# Altium PCB PCB_3U_DAC.PCBDOC (part 2 of 9) (continued)
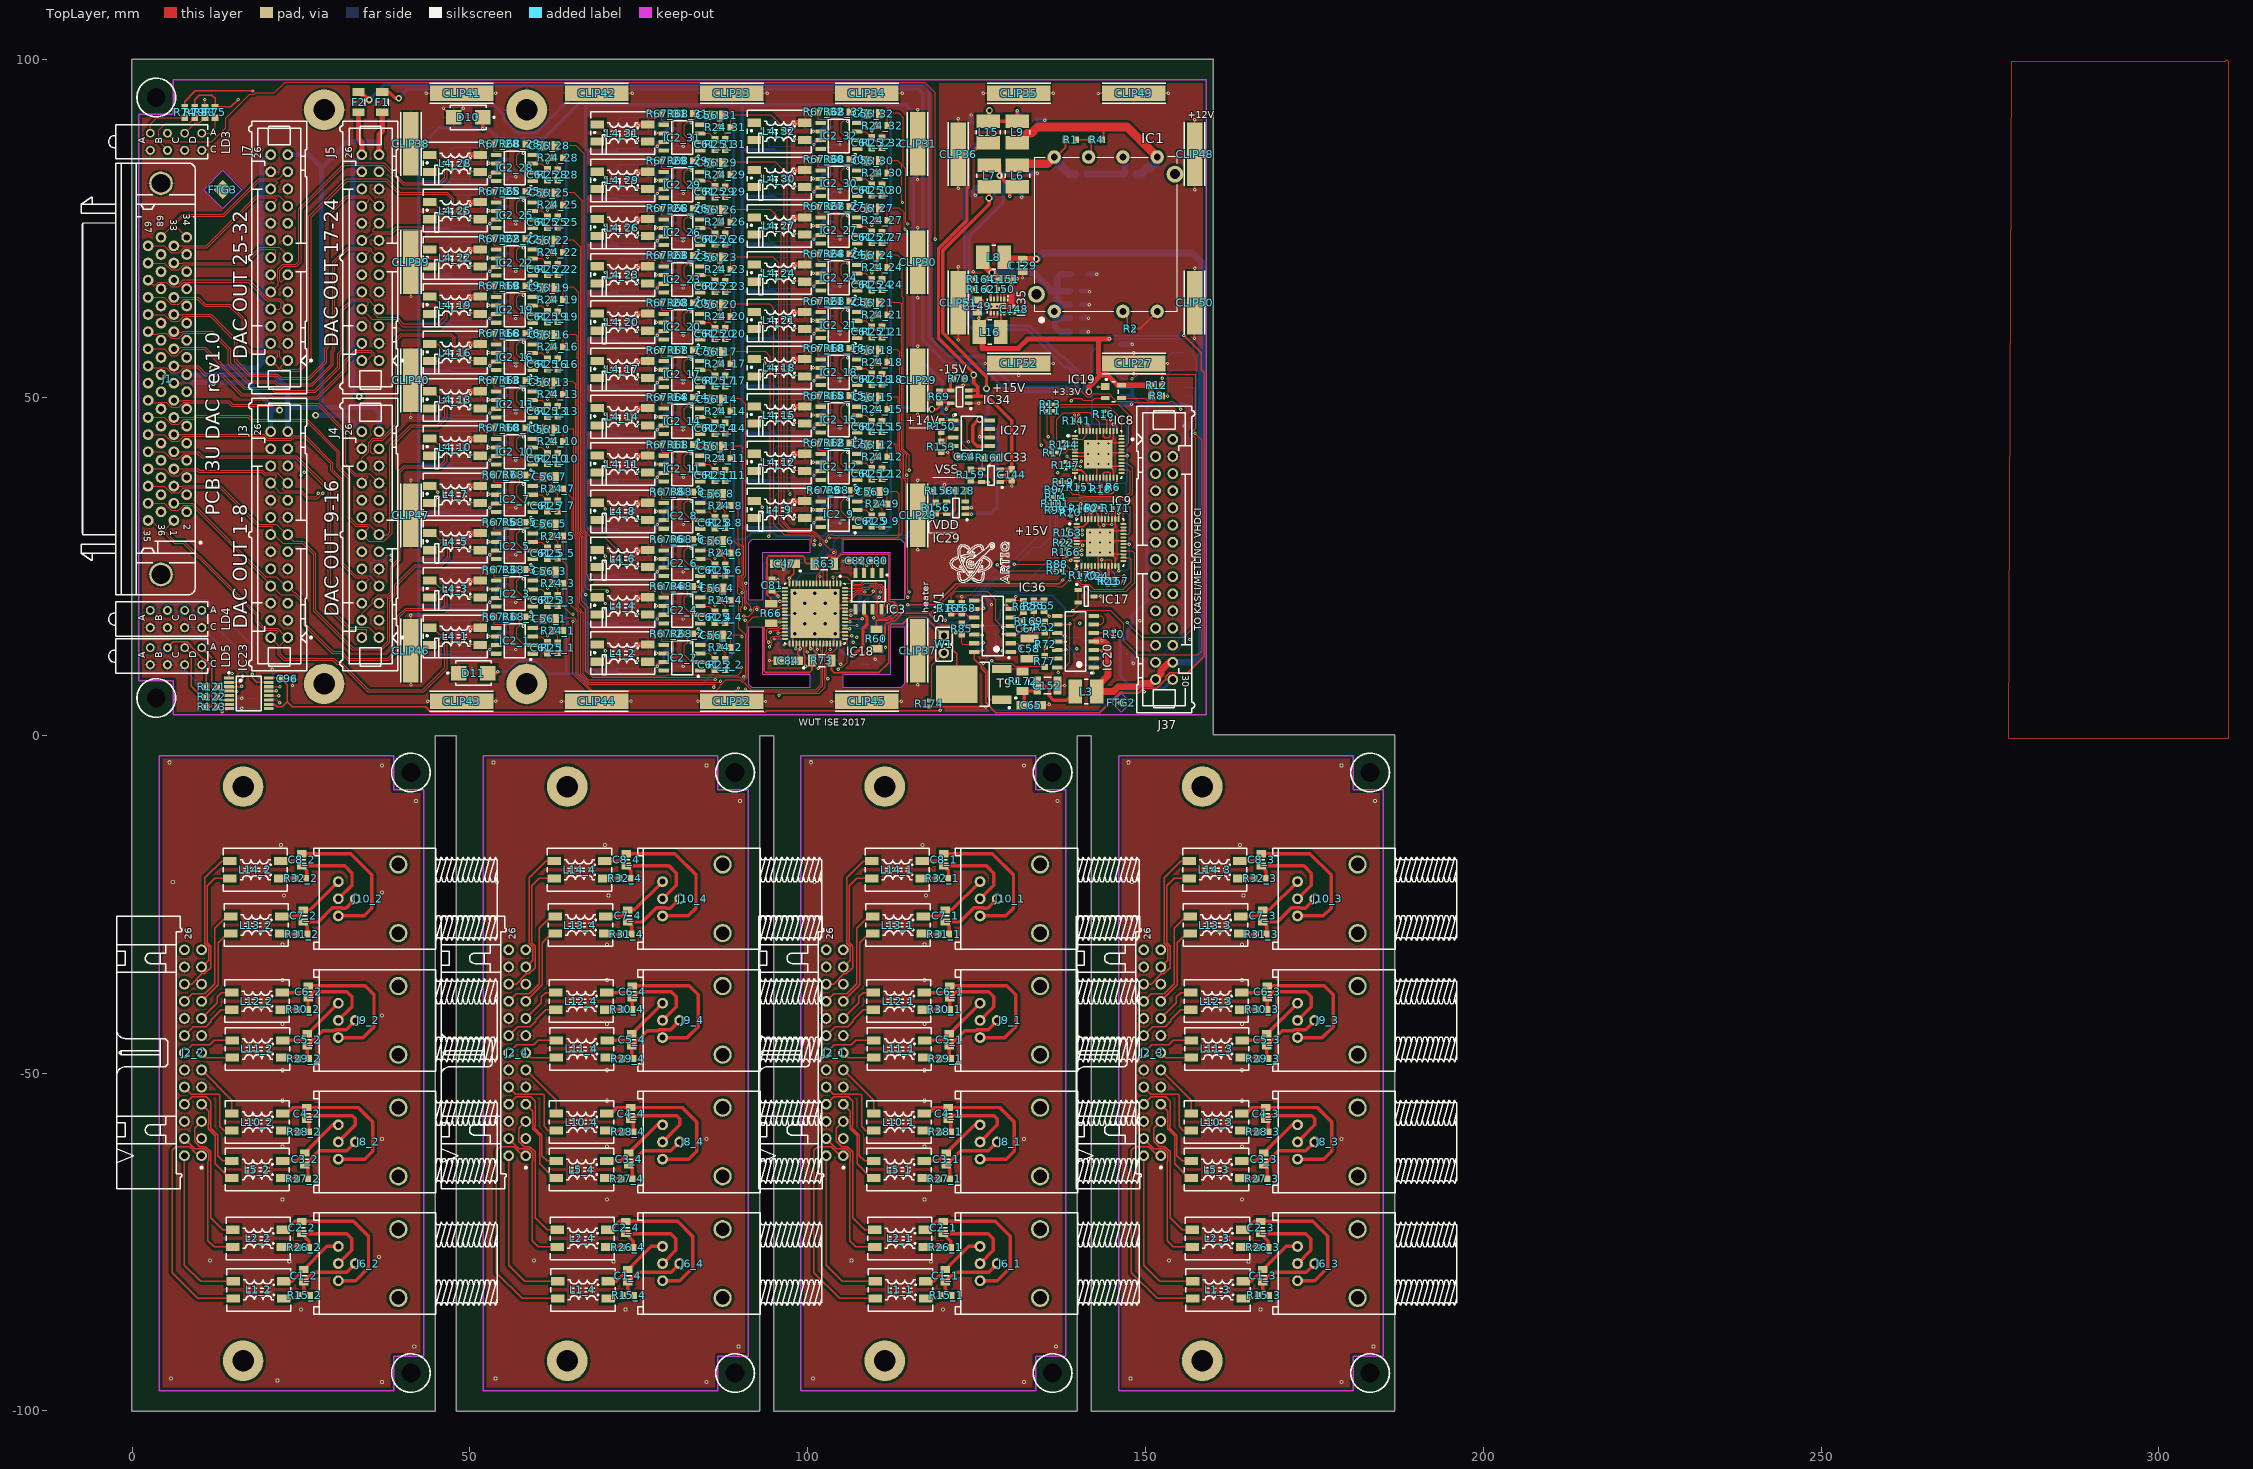
[diagram p0: TopLayer view]
## Components (designator, comment, footprint, x,y, rotation, side; value= is the part's Value field where it differs from the comment) (continued)
R25_12 "9k09" RESC1608X55N 110.992,38.704 r270 top (schematic designator R25)
R25_13 "9k09" RESC1608X55N 62.992,47.954 r270 top (schematic designator R25)
R25_14 "9k09" RESC1608X55N 87.792,45.454 r270 top (schematic designator R25)
R25_15 "9k09" RESC1608X55N 110.992,45.704 r270 top (schematic designator R25)
R25_16 "9k09" RESC1608X55N 62.992,54.954 r270 top (schematic designator R25)
R25_17 "9k09" RESC1608X55N 87.792,52.454 r270 top (schematic designator R25)
R25_18 "9k09" RESC1608X55N 110.992,52.704 r270 top (schematic designator R25)
R25_19 "9k09" RESC1608X55N 62.992,61.954 r270 top (schematic designator R25)
R25_20 "9k09" RESC1608X55N 87.792,59.454 r270 top (schematic designator R25)
R25_21 "9k09" RESC1608X55N 110.992,59.704 r270 top (schematic designator R25)
R25_22 "9k09" RESC1608X55N 62.992,68.954 r270 top (schematic designator R25)
R25_23 "9k09" RESC1608X55N 87.792,66.454 r270 top (schematic designator R25)
R25_24 "9k09" RESC1608X55N 110.992,66.704 r270 top (schematic designator R25)
R25_25 "9k09" RESC1608X55N 62.992,75.954 r270 top (schematic designator R25)
R25_26 "9k09" RESC1608X55N 87.792,73.454 r270 top (schematic designator R25)
R25_27 "9k09" RESC1608X55N 110.992,73.704 r270 top (schematic designator R25)
R25_28 "9k09" RESC1608X55N 62.992,82.954 r270 top (schematic designator R25)
R25_29 "9k09" RESC1608X55N 87.792,80.454 r270 top (schematic designator R25)
R25_30 "9k09" RESC1608X55N 110.992,80.704 r270 top (schematic designator R25)
R25_31 "9k09" RESC1608X55N 87.792,87.454 r270 top (schematic designator R25)
R25_32 "9k09" RESC1608X55N 110.992,87.704 r270 top (schematic designator R25)
R26_1 "0" RESC1608X55N 120.373,-75.819 r180 top (schematic designator R26)
R26_2 "0" RESC1608X55N 25.373,-75.819 r180 top (schematic designator R26)
R26_3 "0" RESC1608X55N 167.373,-75.819 r180 top (schematic designator R26)
R26_4 "0" RESC1608X55N 73.373,-75.819 r180 top (schematic designator R26)
R27_1 "0" RESC1608X55N 120.22,-65.634 r180 top (schematic designator R27)
R27_2 "0" RESC1608X55N 25.22,-65.634 r180 top (schematic designator R27)
R27_3 "0" RESC1608X55N 167.22,-65.634 r180 top (schematic designator R27)
R27_4 "0" RESC1608X55N 73.22,-65.634 r180 top (schematic designator R27)
R28_1 "0" RESC1608X55N 120.373,-58.699 r180 top (schematic designator R28)
R28_2 "0" RESC1608X55N 25.373,-58.699 r180 top (schematic designator R28)
R28_3 "0" RESC1608X55N 167.373,-58.699 r180 top (schematic designator R28)
R28_4 "0" RESC1608X55N 73.373,-58.7 r180 top (schematic designator R28)
R29_1 "0" RESC1608X55N 120.378,-47.858 r180 top (schematic designator R29)
R29_2 "0" RESC1608X55N 25.378,-47.858 r180 top (schematic designator R29)
R29_3 "0" RESC1608X55N 167.378,-47.858 r180 top (schematic designator R29)
R29_4 "0" RESC1608X55N 73.378,-47.858 r180 top (schematic designator R29)
R30_1 "0" RESC1608X55N 120.22,-40.584 r180 top (schematic designator R30)
R30_2 "0" RESC1608X55N 25.22,-40.584 r180 top (schematic designator R30)
R30_3 "0" RESC1608X55N 167.22,-40.584 r180 top (schematic designator R30)
R30_4 "0" RESC1608X55N 73.22,-40.585 r180 top (schematic designator R30)
R31_1 "0" RESC1608X55N 120.134,-29.437 r180 top (schematic designator R31)
R31_2 "0" RESC1608X55N 25.134,-29.437 r180 top (schematic designator R31)
R31_3 "0" RESC1608X55N 167.134,-29.437 r180 top (schematic designator R31)
R31_4 "0" RESC1608X55N 73.134,-29.437 r180 top (schematic designator R31)
R32_1 "0" RESC1608X55N 119.93,-21.182 r180 top (schematic designator R32)
R32_2 "0" RESC1608X55N 24.93,-21.182 r180 top (schematic designator R32)
R32_3 "0" RESC1608X55N 166.93,-21.182 r180 top (schematic designator R32)
R32_4 "0" RESC1608X55N 72.93,-21.182 r180 top (schematic designator R32)
R39_1 "470" RESC1608X55N 50.8,12.446 r180 bottom (schematic designator R39)
R39_2 "470" RESC1608X55N 75.6,9.946 r180 bottom (schematic designator R39)
R39_3 "470" RESC1608X55N 50.8,19.446 r180 bottom (schematic designator R39)
R39_4 "470" RESC1608X55N 75.6,16.946 r180 bottom (schematic designator R39)
R39_5 "470" RESC1608X55N 50.8,26.446 r180 bottom (schematic designator R39)
R39_6 "470" RESC1608X55N 75.6,23.946 r180 bottom (schematic designator R39)
R39_7 "470" RESC1608X55N 50.8,33.446 r180 bottom (schematic designator R39)
R39_8 "470" RESC1608X55N 75.6,30.946 r180 bottom (schematic designator R39)
R39_9 "470" RESC1608X55N 98.8,31.196 r180 bottom (schematic designator R39)
R39_10 "470" RESC1608X55N 50.8,40.446 r180 bottom (schematic designator R39)
R39_11 "470" RESC1608X55N 75.6,37.946 r180 bottom (schematic designator R39)
R39_12 "470" RESC1608X55N 98.8,38.196 r180 bottom (schematic designator R39)
R39_13 "470" RESC1608X55N 50.8,47.446 r180 bottom (schematic designator R39)
R39_14 "470" RESC1608X55N 75.6,44.946 r180 bottom (schematic designator R39)
R39_15 "470" RESC1608X55N 98.8,45.196 r180 bottom (schematic designator R39)
R39_16 "470" RESC1608X55N 50.8,54.446 r180 bottom (schematic designator R39)
R39_17 "470" RESC1608X55N 75.6,51.946 r180 bottom (schematic designator R39)
R39_18 "470" RESC1608X55N 98.8,52.196 r180 bottom (schematic designator R39)
R39_19 "470" RESC1608X55N 50.8,61.446 r180 bottom (schematic designator R39)
R39_20 "470" RESC1608X55N 75.6,58.946 r180 bottom (schematic designator R39)
R39_21 "470" RESC1608X55N 98.8,59.196 r180 bottom (schematic designator R39)
R39_22 "470" RESC1608X55N 50.8,68.446 r180 bottom (schematic designator R39)
R39_23 "470" RESC1608X55N 75.6,65.946 r180 bottom (schematic designator R39)
R39_24 "470" RESC1608X55N 98.8,66.196 r180 bottom (schematic designator R39)
R39_25 "470" RESC1608X55N 50.8,75.446 r180 bottom (schematic designator R39)
R39_26 "470" RESC1608X55N 75.6,72.946 r180 bottom (schematic designator R39)
R39_27 "470" RESC1608X55N 98.8,73.196 r180 bottom (schematic designator R39)
R39_28 "470" RESC1608X55N 50.8,82.446 r180 bottom (schematic designator R39)
R39_29 "470" RESC1608X55N 75.6,79.946 r180 bottom (schematic designator R39)
R39_30 "470" RESC1608X55N 98.8,80.196 r180 bottom (schematic designator R39)
R39_31 "470" RESC1608X55N 75.6,86.946 r180 bottom (schematic designator R39)
R39_32 "470" RESC1608X55N 98.8,87.196 r180 bottom (schematic designator R39)
R51 "0" RESC1005X40N 136.961,24.381 r0 top
R52 "10k" RESC1608X55N 135.099,15.999 r270 top
R53 "1M" RESC1608X55N 130.019,12.951 r270 bottom
R54 "100k" RESC1608X55N 130.019,19.301 r270 bottom
R55 "100k" RESC1608X55N 133.448,19.174 r90 top
R56 "6k8" RESC1608X55N 139.925,13.84 r0 bottom
R57 "100k" RESC1608X55N 127.987,16.126 r90 bottom
R58 "220" RESC1608X55N 19.25,7.25 r0 bottom
R60 "22" RESC3216X65N 110.152,14.25 r270 top
R62 "100k" RESC1608X55N 131.924,19.047 r270 top
R63 "22" RESC3216X65N 102.46,25.397 r0 top
R65 "100k" RESC1608X55N 134.972,19.174 r270 top
R66 "22" RESC3216X65N 94.586,18.031 r90 top
R67_1 "11k" RESC1608X55N 54.356,17.526 r180 top (schematic designator R67)
R67_2 "11k" RESC1608X55N 79.156,15.026 r180 top (schematic designator R67)
R67_3 "11k" RESC1608X55N 54.356,24.526 r180 top (schematic designator R67)
R67_4 "11k" RESC1608X55N 79.156,22.026 r180 top (schematic designator R67)
R67_5 "11k" RESC1608X55N 54.356,31.526 r180 top (schematic designator R67)
R67_6 "11k" RESC1608X55N 79.156,29.026 r180 top (schematic designator R67)
R67_7 "11k" RESC1608X55N 54.356,38.526 r180 top (schematic designator R67)
R67_8 "11k" RESC1608X55N 79.156,36.026 r180 top (schematic designator R67)
R67_9 "11k" RESC1608X55N 102.356,36.276 r180 top (schematic designator R67)
R67_10 "11k" RESC1608X55N 54.356,45.526 r180 top (schematic designator R67)
R67_11 "11k" RESC1608X55N 79.156,43.026 r180 top (schematic designator R67)
R67_12 "11k" RESC1608X55N 102.356,43.276 r180 top (schematic designator R67)
R67_13 "11k" RESC1608X55N 54.356,52.526 r180 top (schematic designator R67)
R67_14 "11k" RESC1608X55N 79.156,50.026 r180 top (schematic designator R67)
R67_15 "11k" RESC1608X55N 102.356,50.276 r180 top (schematic designator R67)
R67_16 "11k" RESC1608X55N 54.356,59.526 r180 top (schematic designator R67)
R67_17 "11k" RESC1608X55N 79.156,57.026 r180 top (schematic designator R67)
R67_18 "11k" RESC1608X55N 102.356,57.276 r180 top (schematic designator R67)
R67_19 "11k" RESC1608X55N 54.356,66.526 r180 top (schematic designator R67)
R67_20 "11k" RESC1608X55N 79.156,64.026 r180 top (schematic designator R67)
R67_21 "11k" RESC1608X55N 102.356,64.276 r180 top (schematic designator R67)
R67_22 "11k" RESC1608X55N 54.356,73.526 r180 top (schematic designator R67)
R67_23 "11k" RESC1608X55N 79.156,71.026 r180 top (schematic designator R67)
R67_24 "11k" RESC1608X55N 102.356,71.276 r180 top (schematic designator R67)
R67_25 "11k" RESC1608X55N 54.356,80.526 r180 top (schematic designator R67)
R67_26 "11k" RESC1608X55N 79.156,78.026 r180 top (schematic designator R67)
R67_27 "11k" RESC1608X55N 102.356,78.276 r180 top (schematic designator R67)
R67_28 "11k" RESC1608X55N 54.356,87.526 r180 top (schematic designator R67)
R67_29 "11k" RESC1608X55N 79.156,85.026 r180 top (schematic designator R67)
R67_30 "11k" RESC1608X55N 102.356,85.276 r180 top (schematic designator R67)
R67_31 "11k" RESC1608X55N 79.156,92.026 r180 top (schematic designator R67)
R67_32 "11k" RESC1608X55N 102.356,92.276 r180 top (schematic designator R67)
R68_1 "Undefined" RESC1608X55N 57.404,17.526 r180 top (schematic designator R68)
R68_2 "Undefined" RESC1608X55N 82.204,15.026 r180 top (schematic designator R68)
R68_3 "Undefined" RESC1608X55N 57.404,24.526 r180 top (schematic designator R68)
R68_4 "Undefined" RESC1608X55N 82.204,22.026 r180 top (schematic designator R68)
R68_5 "Undefined" RESC1608X55N 57.404,31.526 r180 top (schematic designator R68)
R68_6 "Undefined" RESC1608X55N 82.204,29.026 r180 top (schematic designator R68)
R68_7 "Undefined" RESC1608X55N 57.404,38.526 r180 top (schematic designator R68)
R68_8 "Undefined" RESC1608X55N 82.204,36.026 r180 top (schematic designator R68)
R68_9 "Undefined" RESC1608X55N 105.404,36.276 r180 top (schematic designator R68)
R68_10 "Undefined" RESC1608X55N 57.404,45.526 r180 top (schematic designator R68)
R68_11 "Undefined" RESC1608X55N 82.204,43.026 r180 top (schematic designator R68)
R68_12 "Undefined" RESC1608X55N 105.404,43.276 r180 top (schematic designator R68)
R68_13 "Undefined" RESC1608X55N 57.404,52.526 r180 top (schematic designator R68)
R68_14 "Undefined" RESC1608X55N 82.204,50.026 r180 top (schematic designator R68)
R68_15 "Undefined" RESC1608X55N 105.404,50.276 r180 top (schematic designator R68)
R68_16 "Undefined" RESC1608X55N 57.404,59.526 r180 top (schematic designator R68)
R68_17 "Undefined" RESC1608X55N 82.204,57.026 r180 top (schematic designator R68)
R68_18 "Undefined" RESC1608X55N 105.404,57.276 r180 top (schematic designator R68)
R68_19 "Undefined" RESC1608X55N 57.404,66.526 r180 top (schematic designator R68)
R68_20 "Undefined" RESC1608X55N 82.204,64.026 r180 top (schematic designator R68)
R68_21 "Undefined" RESC1608X55N 105.404,64.276 r180 top (schematic designator R68)
R68_22 "Undefined" RESC1608X55N 57.404,73.526 r180 top (schematic designator R68)
R68_23 "Undefined" RESC1608X55N 82.204,71.026 r180 top (schematic designator R68)
R68_24 "Undefined" RESC1608X55N 105.404,71.276 r180 top (schematic designator R68)
R68_25 "Undefined" RESC1608X55N 57.404,80.526 r180 top (schematic designator R68)
R68_26 "Undefined" RESC1608X55N 82.204,78.026 r180 top (schematic designator R68)
R68_27 "Undefined" RESC1608X55N 105.404,78.276 r180 top (schematic designator R68)
R68_28 "Undefined" RESC1608X55N 57.404,87.526 r180 top (schematic designator R68)
R68_29 "Undefined" RESC1608X55N 82.204,85.026 r180 top (schematic designator R68)
R68_30 "Undefined" RESC1608X55N 105.404,85.276 r180 top (schematic designator R68)
R68_31 "Undefined" RESC1608X55N 82.204,92.026 r180 top (schematic designator R68)
R68_32 "Undefined" RESC1608X55N 105.404,92.276 r180 top (schematic designator R68)
R69 "24k" RESC1608X55N 119.486,50.094 r270 top
R70 "2k7" RESC1608X55N 122.368,52.778 r180 top
R71 "10k" RESC1608X55N 142.659,54.061 r180 bottom
R72 "0" RESC1005X40N 135.226,13.459 r90 top
R73 "22" RESC3216X65N 102.079,11.046 r180 top
R74 "2k2" RESC1608X55N 7.763,92.206 r90 top
R75 "2k2" RESC1608X55N 12.263,92.206 r270 top
R76 "10k" RESC1608X55N 140.179,11.173 r90 bottom
R77 "10k" RESC1608X55N 135.099,10.919 r90 top
R78 "10M" RESC1508X63N 124.685,13.713 r270 bottom
R79 "2k2" RESC1608X55N 9.263,92.206 r270 top
R81 "10k" RESC1608X55N 139.544,15.491 r180 bottom
R82 "220" RESC1608X55N 19.25,4 r0 bottom
R83 "2k2" RESC1608X55N 10.763,92.206 r270 top
R84 "10k" RESC1608X55N 138.528,11.173 r270 bottom
R85 "6k8" RESC1608X55N 122.78,15.745 r270 top
R87 "10M" RESC1508X63N 137.004,11.173 r270 bottom
R88 "0" RESC1005X40N 136.961,25.346 r0 top
R97 "0" RESC1005X40N 136.652,36.322 r0 top
R99 "0" RESC1005X40N 136.652,33.274 r0 top
R101 "0" RESC1005X40N 136.652,34.29 r0 top
R113 "220" RESC1608X55N 17.78,10.719 r90 bottom
R114 "220" RESC1608X55N 14.763,10.706 r90 bottom
R115 "220" RESC1608X55N 16.263,10.706 r90 bottom
R116 "220" RESC1608X55N 107,10.5 r180 bottom
R117 "220" RESC1608X55N 107.75,12.781 r90 bottom
R118 "220" RESC1608X55N 19.25,5.5 r0 bottom
R119 "220" RESC1608X55N 11.763,7.856 r180 bottom
R120 "220" RESC1608X55N 11.763,6.456 r180 bottom
R121 "220" RESC1608X55N 11.763,7.206 r180 top
R122 "220" RESC1608X55N 11.763,5.706 r180 top
R123 "220" RESC1608X55N 11.763,4.206 r180 top
R141 "100" RESC1005X40N 139.813,46.578 r180 top
R144 "100" RESC1005X40N 137.883,42.972 r270 top
R147 "100" RESC1005X40N 138.162,39.949 r270 top
R150 "24k" RESC1608X55N 119.763,45.706 r90 top
R151 "100" RESC1005X40N 140.423,36.749 r0 top
R153 "2k7" RESC1608X55N 119.763,42.706 r90 top
R156 "24k" RESC1608X55N 118.933,33.647 r270 top
R157 "100" RESC1005X40N 145.427,22.779 r270 top
R158 "2k7" RESC1608X55N 119.438,36.171 r180 top
R159 "24k" RESC1608X55N 124.135,38.551 r270 top
R160 "100" RESC1005X40N 140.755,33.563 r180 top
R161 "2k7" RESC1608X55N 126.927,41.051 r180 top
R162 "270k" RESC1608X55N 125.588,66.031 r180 top
R163 "100" RESC1005X40N 138.52,30.007 r270 top
R164 "82k" RESC1608X55N 125.588,67.531 r0 top
R165 "10k" RESC1608X55N 121.256,18.793 r90 top
R166 "100" RESC1005X40N 138.292,27.086 r270 top
R168 "10k" RESC1608X55N 122.78,18.793 r270 top
R169 "100k" RESC1608X55N 132.686,16.888 r0 top
R170 "100" RESC1005X40N 140.781,23.708 r0 top
R171 "10k" RESC1005X40N 145.571,33.601 r0 top
R172 "22" RESC3216X65N 131.797,7.998 r270 top
R174 "0" RESC1005X40N 117.954,4.696 r90 top
SW1 "Jumper Type1" JUMPER_BLACK_INSULATED_2.54MM 120.142,14.732 r270 top
T9 "FDD5614P" TO228P991X238-3N-R546X521 124.549,7.528 r180 top
W1 "Test Point" COMATEL_385.0358.1.02.400 120.142,14.732 r270 top

## Footprints (in the part's own frame and the unit in brackets; to place one, negate y for a bottom-side part, rotate by r counter-clockwise, add the part's x,y. Pads: shape width x height; smd on the part's side, far side on the other; paste and mask are expansions set on the pad)
3M_N2526-5002RB [mm] "26 Contacts - Right Angle .100\" x .100\" Low Profile Four-Wall Header"
  round 1.6 hole 1: 1(-15.24,-1.27) 2(-15.24,1.27) 3(-12.7,-1.27) 4(-12.7,1.27) 5(-10.16,-1.27) 6(-10.16,1.27) 7(-7.62,-1.27) 8(-7.62,1.27) 9(-5.08,-1.27) 10(-5.08,1.27) 11(-2.54,-1.27) 12(-2.54,1.27) 13(0,-1.27) 14(0,1.27) 15(2.54,-1.27) 16(2.54,1.27) 17(5.08,-1.27) 18(5.08,1.27) 19(7.62,-1.27) 20(7.62,1.27) 21(10.16,-1.27) 22(10.16,1.27) 23(12.7,-1.27) 24(12.7,1.27) 25(15.24,-1.27) 26(15.24,1.27)
  silkscreen extent -20.16,-1.42 20.17,11.28, body extent -20.16,-1.59 20.17,11.27, height 8.64
3M_N2526-6002RB [mm] "26 Contacts - Straight .100\" x .100\" Low Profile Four-Wall Header"
  round 1.6 hole 1: 1(-15.24,-1.27) 2(-15.24,1.27) 3(-12.7,-1.27) 4(-12.7,1.27) 5(-10.16,-1.27) 6(-10.16,1.27) 7(-7.62,-1.27) 8(-7.62,1.27) 9(-5.08,-1.27) 10(-5.08,1.27) 11(-2.54,-1.27) 12(-2.54,1.27) 13(0,-1.27) 14(0,1.27) 15(2.54,-1.27) 16(2.54,1.27) 17(5.08,-1.27) 18(5.08,1.27) 19(7.62,-1.27) 20(7.62,1.27) 21(10.16,-1.27) 22(10.16,1.27) 23(12.7,-1.27) 24(12.7,1.27) 25(15.24,-1.27) 26(15.24,1.27)
  silkscreen extent -20.17,-4.85 20.17,4.52, body extent -20.17,-4.11 20.17,4.52, height 9.91
3M_N2530-6002RB [mm] "30 Contacts - Straight .100\" x .100\" Low Profile Four-Wall Header"
  round 1.6 hole 1: 1(-17.78,-1.27) 2(-17.78,1.27) 3(-15.24,-1.27) 4(-15.24,1.27) 5(-12.7,-1.27) 6(-12.7,1.27) 7(-10.16,-1.27) 8(-10.16,1.27) 9(-7.62,-1.27) 10(-7.62,1.27) 11(-5.08,-1.27) 12(-5.08,1.27) 13(-2.54,-1.27) 14(-2.54,1.27) 15(0,-1.27) 16(0,1.27) 17(2.54,-1.27) 18(2.54,1.27) 19(5.08,-1.27) 20(5.08,1.27) 21(7.62,-1.27) 22(7.62,1.27) 23(10.16,-1.27) 24(10.16,1.27) 25(12.7,-1.27) 26(12.7,1.27) 27(15.24,-1.27) 28(15.24,1.27) 29(17.78,-1.27) 30(17.78,1.27)
  silkscreen extent -22.71,-4.85 22.71,4.52, body extent -22.71,-4.11 22.71,4.52, height 9.91
BOMAR_364A2595 [mm] "Dual Right Angle 50 Ohm BNC Jack, White Valox Case"
  round 1.6 hole 0.9: 1(-6.2,2.54) 2(-6.2,0) 3(-6.2,-2.54) 4(-3.66,0)
  round 2.7 hole 2: 6(2.69,-5.08) 7(2.69,5.08)
  silkscreen extent -9.85,-7.5 17.35,7.5, body extent -9.85,-7.5 29.25,7.5, height 29.3
CAPC1005X55N [mm] "Chip Capacitor, Body 1.0x0.55mm, IPC Medium Density"
  rect 0.62x0.62 smd: 1(-0.45,0) 2(0.45,0)
  body extent -0.52,-0.27 0.53,0.28, height 0.55
CAPC1608X87N [mm] "Chip Capacitor, Body 1.6x0.8mm IPC Medium Density"
  rect 0.95x1 smd: 1(-0.8,0) 2(0.8,0)
  body extent -0.87,-0.47 0.88,0.48, height 0.87
CAPC2012X135N [mm] "Chip Capacitor, Body 2.0x1.25mm, IPC Medium Density"
  rect 1.05x1.4 smd: 1(-0.9,0) 2(0.9,0)
  silkscreen extent 0,-0.58 0,0.58, body extent -1.05,-0.67 1.05,0.68, height 1.25
CAPC3216X140N [mm] "Chip Capacitor, Body 3.2x1.6mm, IPC Medium Density"
  rect 1.15x1.8 smd: 1(-1.5,0) 2(1.5,0)
  body extent -1.7,-0.9 1.7,0.9, height 1.4
CAPC3225X270N [mm] "Chip Capacitor, Body 3.2x2.5mm, IPC Medium Density"
  rect 1.15x2.7 smd: 1(-1.5,0) 2(1.5,0)
  silkscreen extent -0.55,-1.25 0.55,1.25, body extent -1.7,-1.35 1.7,1.35, height 2.7
CAPMP3216X180N [mm] "Capacitor, Polarized, Molded  Body 3.2x1.6mm, IPC Medium Density"
  rect 1.8x1.25 smd: 1(-1.3,0) 2(1.3,0)
  silkscreen extent -2.4,-0.7 0,1.2, body extent -1.7,-0.9 1.7,0.9, height 1.6
CC6-1212DF-E [mm]
  round 2 hole 1: 1(-2.54,-2.63) 2(-2.54,-12.79) 3(-2.54,-17.87) 4(20.32,-17.87) 5(20.32,-12.79) 6(20.32,-7.71) 7(20.32,-2.63)
  round 2.5 hole 1.5: 8(0,0) 9(17.78,-20.5)
  silkscreen extent -4.06,-20.83 20.44,0.25, body extent -2.72,-20.81 20.44,0.29, height 8.4
CLIP_HOLLAND-SHIELDING_LC [mm] "Surface Mount Clip for PCB Screening Covers"
  rect 9.4x2.3 smd: 1(0,0)
  silkscreen extent -4.7,-1.5 4.7,1.5, body extent -4.4,-1.15 4.4,1.15, height 3.5
COMATEL_385.0358.1.02.400 [mm] "2 Contacts Straight Strip Header Pitch 2.54mm L=6.3mm ''Mini-Wire-Wrap''"
  rect 1.6x1.6 hole 0.9: 1(0,0)
  round 1.6 hole 0.9: 2(2.54,0)
  silkscreen extent -1.27,-1.23 3.81,1.93, body extent -1.27,-1.22 3.81,1.23, height 8
DIOM5336X265N [mm] "DO-214-AA/SMB Diode, Molded Body; 5.34mm L X 3.625mm W X 2.65mm H, IPC Medium Density"
  rect 2.3x2.15 smd: 1(-2.15,0) 2(2.15,0)
  silkscreen extent -3.93,-1.8 2.65,1.8, body extent -2.7,-1.95 2.7,1.95, height 2.4
FIDUCIAL_TOP_C100-200 [mm] "Round Fiducial Target, Top Layer, 1.0mm, Top Solder 2.0mm, Keepout =2.0mm"
  round 1 smd paste-0.51 mask+0.5: FTG2(0,0)
  TopLayer keep-out circle w0.1: c0,0 r1
FIDUCIAL_TOP_S100-200 [mm] "Square Fiducial Target, Top Layer, 1.0mm, Top Solder 2.0mm, Keepout =2.0mm"
  rect 1x1 smd rot 45 paste-0.51 mask+0.5: 1(0,0)
  TopLayer keep-out region: 1.414,0 0,-1.414 -1.414,0 0,1.414
FIDUCIAL_TOP_S200-400 [mm] "Square Fiducial Target, Top Layer, 2.0mm, Top Solder 4.0mm, Keepout =4.0mm"
  rect 2x2 smd rot 45 paste-0.9 mask+1: 1(0,0)
  TopLayer keep-out region: -2.839,0.011 -0.011,2.839 2.818,0.011 -0.011,-2.818
FUSRC3216X100N [mm] "Chip Resettable Fuse, 2-Leads, Body 3.2mmx1.6mm, IPC Medium Density"
  rect 1.15x1.8 smd: 1(-1.5,0) 2(1.5,0)
  silkscreen extent -0.5,-0.9 0.5,0.9, body extent -1.7,-0.9 1.7,0.9, height 1
IND_MURATA-PS_8400 [mm] "Miniature Surface Mount Power Inductors, 4.5mm L X 3.3mm W X 2.9mm H, MURATA 8400 Serie"
  rect 2x3.5 smd: 1(-1.6,0) 2(1.6,0)
  silkscreen extent -0.3,-1.8 0.3,1.8, body extent -2.4,-1.8 2.4,1.8, height 2.9
IND_WURTH_WE-SL2 [mm] "Common Mode SMD Line Filter WE-SL2"
  rect 2x1.2 smd: 1(-3.75,1.27) 2(-3.75,-1.27) 3(3.75,-1.27) 4(3.75,1.27)
  silkscreen extent -4.75,-3.15 4.75,3.15, body extent -4.75,-3.15 4.75,3.15, height 5.3
JUMPER_BLACK_INSULATED_2.54MM [mm] "Black Insulated Jumper Pitch 2.54mm W=2.5mm L=5mm H=6.5mm"
  round 0.9 smd paste-0.46 mask-0.46: 1(0,0)
  silkscreen extent 1.1,-0.38 1.44,0.38, body extent -1.27,-1.27 3.73,1.23, height 8.2
LED_BIVAR_H485CGDL [mm] "Quad-Level 2mm Green, PCB Edge Mounting  BIVAR H485CGDL"
  round 1.35 hole 0.8: 1(-3.81,-1.27) 3(-1.27,-1.27) 5(1.27,-1.27) 7(3.81,-1.27)
  round 1.3 hole 0.8: 2(-3.81,1.27) 4(-1.27,1.27) 6(1.27,1.27) 8(3.81,1.27)
  silkscreen extent -9.99,-2.55 4.71,2.55, body extent -9.99,-2.55 4.71,2.55, height 11.3
LED_BIVAR_H485CHHGGDL [mm] "Quad-Level 2mm (Green+Green+HeRed+HeRed) LED, PCB Edge Mounting BIVAR H485C Serie"
  round 1.35 hole 0.8: 1(-3.81,-1.27) 3(-1.27,-1.27) 5(1.27,-1.27) 7(3.81,-1.27)
  round 1.3 hole 0.8: 2(-3.81,1.27) 4(-1.27,1.27) 6(1.27,1.27) 8(3.81,1.27)
  silkscreen extent -9.99,-2.55 4.71,2.55, body extent -9.99,-2.55 4.71,2.55, height 11.3
QFN50P700X700X100-49N-S420 [mm] "QFN, 0.50mm Pitch, Square; 48 Pin, 7.00mm L X 7.00mm W X 1mm H body (W/Thermal Tab 4.2mm X 4.2mm), IPC Medium Density"
  oval 0.9x0.3 smd: 1(-3.45,2.75) 2(-3.45,2.25) 3(-3.45,1.75) 4(-3.45,1.25) 5(-3.45,0.75) 6(-3.45,0.25) 7(-3.45,-0.25) 8(-3.45,-0.75) 9(-3.45,-1.25) 10(-3.45,-1.75) 11(-3.45,-2.25) 12(-3.45,-2.75) 25(3.45,-2.75) 26(3.45,-2.25) 27(3.45,-1.75) 28(3.45,-1.25) 29(3.45,-0.75) 30(3.45,-0.25) 31(3.45,0.25) 32(3.45,0.75) 33(3.45,1.25) 34(3.45,1.75) 35(3.45,2.25) 36(3.45,2.75)
  oval 0.3x0.9 smd: 13(-2.75,-3.45) 14(-2.25,-3.45) 15(-1.75,-3.45) 16(-1.25,-3.45) 17(-0.75,-3.45) 18(-0.25,-3.45) 19(0.25,-3.45) 20(0.75,-3.45) 21(1.25,-3.45) 22(1.75,-3.45) 23(2.25,-3.45) 24(2.75,-3.45) 37(2.75,3.45) 38(2.25,3.45) 39(1.75,3.45) 40(1.25,3.45) 41(0.75,3.45) 42(0.25,3.45) 43(-0.25,3.45) 44(-0.75,3.45) 45(-1.25,3.45) 46(-1.75,3.45) 47(-2.25,3.45) 48(-2.75,3.45)
  rect 4.2x4.2 smd: 49(0,0)
  silkscreen extent -4.62,-3.5 3.5,3.5, body extent -3.5,-3.5 3.5,3.5, height 1
QFN50P900X900X100-65N-S725 [mm] "QFN, 0.50mm Pitch, Square; 64 Pin, 9.00mm L X 9.00mm W X 1.00mm H Body (7.25 X 7.25mm Thermal Tab), IPC Medium Density"
  oval 0.9x0.3 smd: 1(-4.45,3.75) 2(-4.45,3.25) 3(-4.45,2.75) 4(-4.45,2.25) 5(-4.45,1.75) 6(-4.45,1.25) 7(-4.45,0.75) 8(-4.45,0.25) 9(-4.45,-0.25) 10(-4.45,-0.75) 11(-4.45,-1.25) 12(-4.45,-1.75) 13(-4.45,-2.25) 14(-4.45,-2.75) 15(-4.45,-3.25) 16(-4.45,-3.75) 33(4.45,-3.75) 34(4.45,-3.25) 35(4.45,-2.75) 36(4.45,-2.25) 37(4.45,-1.75) 38(4.45,-1.25) 39(4.45,-0.75) 40(4.45,-0.25) 41(4.45,0.25) 42(4.45,0.75) 43(4.45,1.25) 44(4.45,1.75) 45(4.45,2.25) 46(4.45,2.75) 47(4.45,3.25) 48(4.45,3.75)
  oval 0.3x0.9 smd: 17(-3.75,-4.45) 18(-3.25,-4.45) 19(-2.75,-4.45) 20(-2.25,-4.45) 21(-1.75,-4.45) 22(-1.25,-4.45) 23(-0.75,-4.45) 24(-0.25,-4.45) 25(0.25,-4.45) 26(0.75,-4.45) 27(1.25,-4.45) 28(1.75,-4.45) 29(2.25,-4.45) 30(2.75,-4.45) 31(3.25,-4.45) 32(3.75,-4.45) 49(3.75,4.45) 50(3.25,4.45) 51(2.75,4.45) 52(2.25,4.45) 53(1.75,4.45) 54(1.25,4.45) 55(0.75,4.45) 56(0.25,4.45) 57(-0.25,4.45) 58(-0.75,4.45) 59(-1.25,4.45) 60(-1.75,4.45) 61(-2.25,4.45) 62(-2.75,4.45) 63(-3.25,4.45) 64(-3.75,4.45)
  rect 7.25x7.25 smd: 65(0,0)
  silkscreen extent -5.62,-4.5 4.5,4.5, body extent -4.5,-4.5 4.5,4.5, height 1
RESC1005X40N [mm] "Chip Resistor, EIA 0402, Metric 1005, Body 1.0x0.5mm, IPC Medium Density"
  rect 0.58x0.62 smd: 1(-0.47,0) 2(0.47,0)
  body extent -0.52,-0.27 0.53,0.28, height 0.4
RESC1508X63N [mm] "Chip Resistor, EIA 0603, Metric 1608, Body 1.5x0.8mm, IPC Medium Density"
  rect 0.8x1.02 smd: 1(-0.65,0) 2(0.65,0)
  body extent -0.76,-0.42 0.76,0.43, height 0.63
RESC1608X55N [mm] "Chip Resistor, EIA 0603, Metric 1608, Body 1.6x0.8mm, IPC Medium Density"
  rect 0.9x1 smd: 1(-0.8,0) 2(0.8,0)
  body extent -0.87,-0.47 0.88,0.48, height 0.55
RESC3216X65N [mm] "Chip Resistor, EIA 1206, Metric 3216, Body 3.2x1.6mm, IPC Medium Density"
  rect 1.15x1.8 smd: 1(-1.45,0) 2(1.45,0)
  silkscreen extent -0.5,-0.9 0.5,0.9, body extent -1.67,-0.87 1.68,0.88, height 0.65
SOIC127P600X175-8N [mm] "SOIC 8, Pitch 1.27mm - Body 4x5mm, IPC Medium Density"
  rect 1.55x0.6 smd: 1(-2.7,1.905) 2(-2.7,0.635) 3(-2.7,-0.635) 4(-2.7,-1.905) 5(2.7,-1.905) 6(2.7,-0.635) 7(2.7,0.635) 8(2.7,1.905)
  silkscreen extent -2.53,-2.5 1.55,2.88, body extent -3.1,-2.5 3.1,2.5, height 1.75
SOIC127P600X175-14N [mm] "SOIC 14, Pitch 1.27mm - Body 4x8.75mm, IPC Medium Density"
  rect 1.55x0.6 smd: 1(-2.7,3.81) 2(-2.7,2.54) 3(-2.7,1.27) 4(-2.7,0) 5(-2.7,-1.27) 6(-2.7,-2.54) 7(-2.7,-3.81) 8(2.7,-3.81) 9(2.7,-2.54) 10(2.7,-1.27) 11(2.7,0) 12(2.7,1.27) 13(2.7,2.54) 14(2.7,3.81)
  silkscreen extent -2.53,-4.4 1.55,4.78, body extent -3.1,-4.37 3.1,4.38, height 1.75
SOIC127P1030X265-16N [mm] "SOIC 16, Pitch 1.27mm - Body 7.5x10.3mm, IPC Medium Density"
  rect 2x0.6 smd: 1(-4.65,4.445) 2(-4.65,3.175) 3(-4.65,1.905) 4(-4.65,0.635) 5(-4.65,-0.635) 6(-4.65,-1.905) 7(-4.65,-3.175) 8(-4.65,-4.445) 9(4.65,-4.445) 10(4.65,-3.175) 11(4.65,-1.905) 12(4.65,-0.635) 13(4.65,0.635) 14(4.65,1.905) 15(4.65,3.175) 16(4.65,4.445)
  silkscreen extent -5.52,-5.15 3.32,5.37, body extent -5.18,-5.25 5.18,5.25, height 1.68
SON50P200X300X80-11N-R94X250 [mm] "SON, 10-Leads, Body 2x3mm, Pitch 0.5mm, Thermal Pad 0.94x2.5mm, IPC Medium Density"
  rect 0.7x0.3 smd: 1(-1.05,1) 2(-1.05,0.5) 3(-1.05,0) 4(-1.05,-0.5) 5(-1.05,-1) 6(1.05,-1) 7(1.05,-0.5) 8(1.05,0) 9(1.05,0.5) 10(1.05,1)
  rect 0.94x2.5 smd: 11(0,0)
  silkscreen extent -1.5,-1.55 1.05,1.6, body extent -1.05,-1.55 1.05,1.55, height 0.8
SOP65P640X120-16N [mm] "SOP, 0.65mm pitch; 16 pin, 4.40mm W X 5.00mm L X 1.20mm H body IPC Medium Density"
  rect 1.45x0.45 smd: 1(-2.95,2.275) 2(-2.95,1.625) 3(-2.95,0.975) 4(-2.95,0.325) 5(-2.95,-0.325) 6(-2.95,-0.975) 7(-2.95,-1.625) 8(-2.95,-2.275) 9(2.95,-2.275) 10(2.95,-1.625) 11(2.95,-0.975) 12(2.95,-0.325) 13(2.95,0.325) 14(2.95,0.975) 15(2.95,1.625) 16(2.95,2.275)
  silkscreen extent -3.07,-2.55 1.85,3.17, body extent -3.12,-2.55 3.12,2.55, height 1.2
SOT95P237X112-3N [mm] "SOT, 0.95mm, pitch; 3 pin,1.30mm W X 2.92mm L X 1.12mm H body, IPC Medium Density"
  rect 1.05x0.6 smd: 1(-1.15,0.95) 2(-1.15,-0.95) 3(1.15,0)
  silkscreen extent -1.52,-1.45 0.3,1.87, body extent -1.25,-1.5 1.25,1.5, height 1.1
SOT95P240X110-3N [mm] "SOT23 3-Leads, Pitch 0.95mm, Body 1.3x2.9mm, IPC Medium Density"
  rect 1.05x0.65 smd: 1(-1.15,-0.95) 2(-1.15,0.95) 3(1.15,0)
  body extent -1.25,-1.5 1.25,1.5, height 1.1
SOT95P251X112-3N [mm] "SOT23 3-Leads, Pitch 0.95mm - Body 1.3x2.9mm, IPC Medium Density"
  rect 1.05x0.65 smd: 1(-1.2,0.95) 2(-1.2,-0.95) 3(1.2,0)
  silkscreen extent -1.57,-1.45 0.35,1.92, body extent -1.27,-1.5 1.27,1.5, height 1.12